# KiCad board fmc_memory_adapter.kicad_pcb (continued)
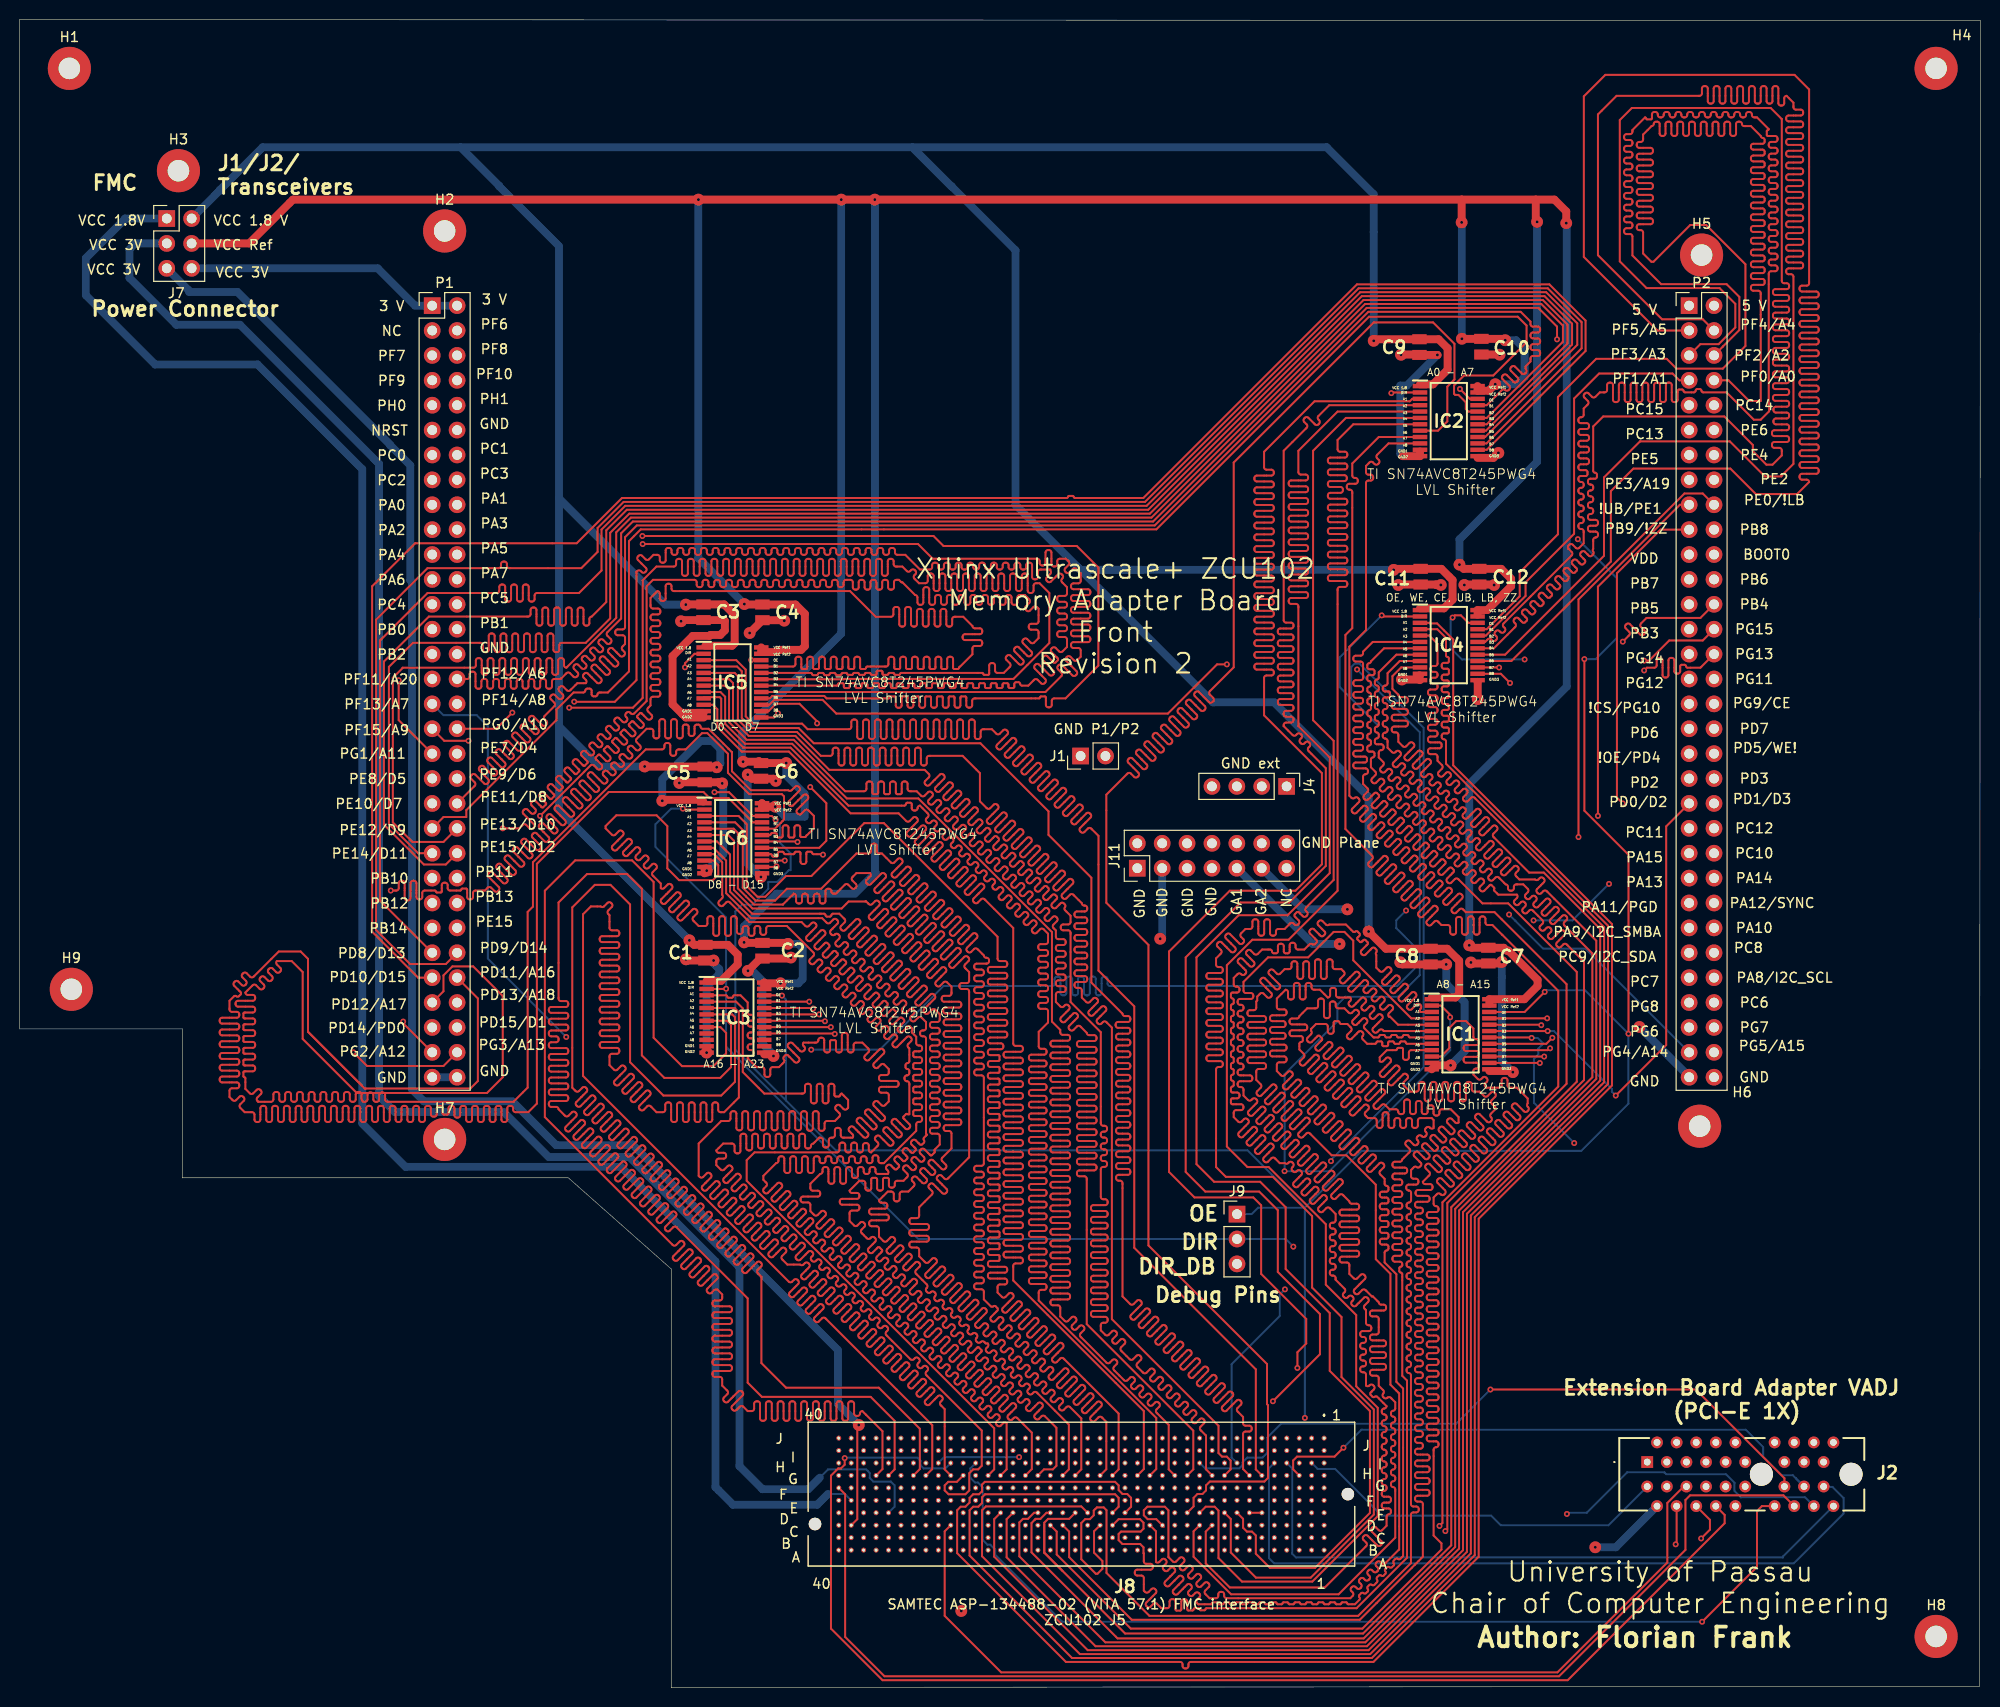
[diagram p0: board, top side]
## Routing (per net, layer and track width the routed paths; a pad name or vN(x,y) marks a point on that pad's centre or on a via; arc(x,y) is an arc through that point) (continued)
Net-(IC6-A3): length 200
  Top w0.2: J8.G21 108.35,22.25 108.35,27.45 107.18,28.62 arc(107.01,28.69) 106.84,28.62 106.55,28.32 arc(106.38,28.25) 106.21,28.32 106.12,28.4 arc(106.05,28.57) 106.12,28.74 106.42,29.04 arc(106.49,29.21) 106.42,29.38 106.33,29.47 arc(106.17,29.54) 106,29.47 105.7,29.17 arc(105.53,29.1) 105.36,29.17 105.27,29.25 arc(105.2,29.42) 105.27,29.59 105.57,29.89 arc(105.64,30.06) 105.57,30.23 105.49,30.31 arc(105.32,30.38) 105.15,30.31 104.85,30.02 arc(104.68,29.95) 104.51,30.02 104.43,30.1 arc(104.36,30.27) 104.43,30.44 104.72,30.74 arc(104.79,30.91) 104.72,31.08 104.64,31.16 arc(104.47,31.23) 104.3,31.16 104,30.87 arc(103.83,30.79) 103.66,30.87 103.58,30.95 arc(103.51,31.12) 103.58,31.29 103.87,31.59 arc(103.94,31.76) 103.87,31.93 103.79,32.01 arc(103.62,32.08) 103.45,32.01 103.15,31.71 arc(102.98,31.64) 102.81,31.71 102.73,31.8 arc(102.66,31.97) 102.73,32.14 103.03,32.43 arc(103.1,32.6) 103.03,32.77 102.94,32.86 arc(102.77,32.93) 102.6,32.86 102.3,32.56 arc(102.13,32.49) 101.96,32.56 101.88,32.65 arc(101.81,32.82) 101.88,32.99 102.18,33.28 arc(102.25,33.45) 102.18,33.62 102.09,33.71 arc(101.92,33.78) 101.75,33.71 101.46,33.41 arc(101.29,33.34) 101.12,33.41 101.03,33.5 arc(100.96,33.67) 101.03,33.84 101.33,34.13 arc(101.4,34.3) 101.33,34.47 101.24,34.56 arc(101.07,34.63) 100.9,34.56 100.61,34.26 arc(100.44,34.19) 100.27,34.26 100.18,34.34 arc(100.11,34.51) 100.18,34.68 100.48,34.98 arc(100.55,35.15) 100.48,35.32 100.4,35.4 arc(100.23,35.48) 100.06,35.4 99.76,35.11 arc(99.59,35.04) 99.42,35.11 99.33,35.19 arc(99.26,35.36) 99.33,35.53 99.63,35.83 arc(99.7,36) 99.63,36.17 99.55,36.25 arc(99.38,36.32) 99.21,36.25 98.84,35.89 arc(98.67,35.82) 98.5,35.89 98.42,35.97 arc(98.34,36.14) 98.42,36.31 98.78,36.68 arc(98.85,36.85) 98.78,37.02 98.7,37.1 arc(98.53,37.17) 98.36,37.1 97.99,36.73 arc(97.82,36.66) 97.65,36.73 97.57,36.82 arc(97.5,36.99) 97.57,37.16 98.64,38.23 arc(98.71,38.4) 98.64,38.57 98.56,38.66 arc(98.39,38.73) 98.22,38.66 97.14,37.58 arc(96.97,37.51) 96.8,37.58 96.72,37.67 arc(96.65,37.84) 96.72,38.01 97.79,39.08 arc(97.86,39.25) 97.79,39.42 97.71,39.51 arc(97.54,39.58) 97.37,39.51 96.29,38.43 arc(96.12,38.36) 95.95,38.43 95.87,38.52 arc(95.8,38.69) 95.87,38.86 96.94,39.93 arc(97.01,40.1) 96.94,40.27 96.86,40.35 arc(96.69,40.42) 96.52,40.35 95.45,39.28 arc(95.28,39.21) 95.11,39.28 95.02,39.36 arc(94.95,39.53) 95.02,39.7 96.1,40.78 arc(96.17,40.95) 96.1,41.12 96.01,41.2 arc(95.84,41.27) 95.67,41.2 94.6,40.13 arc(94.43,40.06) 94.26,40.13 94.17,40.21 arc(94.1,40.38) 94.17,40.55 95.25,41.63 arc(95.32,41.8) 95.25,41.97 95.16,42.05 arc(94.99,42.12) 94.82,42.05 93.75,40.98 arc(93.58,40.91) 93.41,40.98 93.32,41.06 arc(93.25,41.23) 93.32,41.4 94.4,42.48 arc(94.47,42.65) 94.4,42.82 94.31,42.9 arc(94.14,42.97) 93.97,42.9 92.9,41.83 arc(92.73,41.76) 92.56,41.83 92.48,41.91 arc(92.41,42.08) 92.48,42.25 93.55,43.32 arc(93.62,43.49) 93.55,43.66 93.47,43.75 arc(93.3,43.82) 93.13,43.75 92.76,43.38 arc(92.59,43.31) 92.42,43.38 91.8,44 91.8,44.65 arc(91.73,44.82) 91.56,44.89 91.04,44.89 arc(90.87,44.96) 90.8,45.13 90.8,45.25 arc(90.87,45.42) 91.04,45.49 92.56,45.49 arc(92.73,45.56) 92.8,45.73 92.8,45.85 arc(92.73,46.02) 92.56,46.09 91.04,46.09 arc(90.87,46.16) 90.8,46.33 90.8,46.45 arc(90.87,46.62) 91.04,46.69 92.56,46.69 arc(92.73,46.76) 92.8,46.93 92.8,47.05 arc(92.73,47.22) 92.56,47.29 91.04,47.29 arc(90.87,47.36) 90.8,47.53 90.8,47.65 arc(90.87,47.82) 91.04,47.89 91.56,47.89 arc(91.73,47.96) 91.8,48.13 91.8,49 93.11,50.31 arc(93.18,50.48) 93.11,50.65 92.81,50.95 arc(92.74,51.12) 92.81,51.29 92.9,51.38 arc(93.07,51.45) 93.24,51.38 94.18,50.44 arc(94.35,50.37) 94.52,50.44 94.6,50.52 arc(94.67,50.69) 94.6,50.86 93.66,51.8 arc(93.59,51.97) 93.66,52.14 93.74,52.22 arc(93.91,52.29) 94.08,52.22 94.38,51.92 arc(94.55,51.85) 94.72,51.92 96.9,54.1 96.9,71.03 arc(96.83,71.2) 96.66,71.27 96.14,71.27 arc(95.97,71.34) 95.9,71.51 95.9,71.63 arc(95.97,71.8) 96.14,71.87 96.66,71.87 arc(96.83,71.94) 96.9,72.11 96.9,73 96.47,73.43 arc(96.4,73.6) 96.47,73.77 96.84,74.13 arc(96.91,74.3) 96.84,74.47 96.76,74.56 arc(96.59,74.63) 96.42,74.56 95.34,73.48 arc(95.17,73.41) 95,73.48 94.92,73.57 arc(94.85,73.74) 94.92,73.91 95.99,74.98 arc(96.06,75.15) 95.99,75.32 95.91,75.41 arc(95.74,75.48) 95.57,75.41 94.49,74.33 arc(94.32,74.26) 94.15,74.33 94.07,74.42 arc(94,74.59) 94.07,74.76 95.14,75.83 arc(95.21,76) 95.14,76.17 95.06,76.26 arc(94.89,76.33) 94.72,76.26 93.64,75.18 arc(93.48,75.11) 93.31,75.18 93.22,75.27 arc(93.15,75.43) 93.22,75.6 94.3,76.68 arc(94.37,76.85) 94.3,77.02 94.21,77.1 arc(94.04,77.17) 93.87,77.1 92.8,76.03 arc(92.63,75.96) 92.46,76.03 92.37,76.11 arc(92.3,76.28) 92.37,76.45 93.45,77.53 arc(93.52,77.7) 93.45,77.87 93.36,77.95 arc(93.19,78.02) 93.02,77.95 91.95,76.88 arc(91.78,76.81) 91.61,76.88 91.52,76.96 arc(91.45,77.13) 91.52,77.3 92.6,78.38 arc(92.67,78.55) 92.6,78.72 92.51,78.8 arc(92.34,78.87) 92.17,78.8 91.1,77.73 arc(90.93,77.66) 90.76,77.73 90.67,77.81 arc(90.6,77.98) 90.67,78.15 91.75,79.23 arc(91.82,79.39) 91.75,79.56 91.66,79.65 arc(91.5,79.72) 91.33,79.65 90.25,78.57 arc(90.08,78.5) 89.91,78.57 89.83,78.66 arc(89.76,78.83) 89.83,79 90.9,80.07 arc(90.97,80.24) 90.9,80.41 90.82,80.5 arc(90.65,80.57) 90.48,80.5 89.4,79.42 arc(89.23,79.35) 89.06,79.42 88.98,79.51 arc(88.91,79.68) 88.98,79.85 90.05,80.92 arc(90.12,81.09) 90.05,81.26 89.97,81.35 arc(89.8,81.42) 89.63,81.35 88.55,80.27 arc(88.38,80.2) 88.21,80.27 88.13,80.36 arc(88.06,80.53) 88.13,80.7 89.2,81.77 arc(89.27,81.94) 89.2,82.11 89.12,82.19 arc(88.95,82.27) 88.78,82.19 87.71,81.12 arc(87.54,81.05) 87.37,81.12 87.28,81.2 arc(87.21,81.37) 87.28,81.54 88.36,82.62 arc(88.43,82.79) 88.36,82.96 88.27,83.04 arc(88.1,83.11) 87.93,83.04 86.86,81.97 arc(86.69,81.9) 86.52,81.97 86.43,82.05 arc(86.36,82.22) 86.43,82.39 86.8,82.76 arc(86.87,82.93) 86.8,83.1 85.4,83.1 84.98,82.68 arc(84.91,82.51) 84.98,82.34 85.35,81.98 arc(85.42,81.81) 85.35,81.64 85.27,81.55 arc(85.1,81.48) 84.93,81.55 84.56,81.92 arc(84.39,81.99) 84.22,81.92 83.3,81 83.08,81 arc(82.91,81.07) 82.84,81.24 82.84,81.26 arc(82.77,81.43) 82.6,81.5 82.48,81.5 arc(82.31,81.43) 82.24,81.26 82.24,80.24 arc(82.17,80.07) 82,80 81.88,80 arc(81.71,80.07) 81.64,80.24 81.64,80.76 arc(81.57,80.93) 81.4,81 81.28,81 arc(81.11,80.93) 81.04,80.76 81.04,80.24 arc(80.97,80.07) 80.8,80 80.68,80 arc(80.51,80.07) 80.44,80.24 80.44,80.76 arc(80.37,80.93) 80.2,81 80.08,81 arc(79.91,80.93) 79.84,80.76 79.84,80.24 arc(79.77,80.07) 79.6,80 79.48,80 arc(79.31,80.07) 79.24,80.24 79.24,80.76 arc(79.17,80.93) 79,81 77.9,79.9 77.9,79.89 74.96,79.89 73.3,81.55 73.3,87.2 72.87,87.63 IC6.5
Net-(IC6-A4): length 200
  Top w0.2: IC6.6 72.32,86.98 72.9,86.4 72.9,81.38 74.79,79.49 83.89,79.49 84.6,80.2 86.3,80.2 86.35,80.25 86.66,79.94 arc(86.83,79.87) 87,79.94 87.3,80.23 arc(87.47,80.3) 87.64,80.23 87.72,80.15 arc(87.8,79.98) 87.72,79.81 86.72,78.8 arc(86.65,78.63) 86.72,78.47 86.81,78.38 arc(86.98,78.31) 87.15,78.38 88.15,79.38 arc(88.32,79.45) 88.49,79.38 88.57,79.3 arc(88.64,79.13) 88.57,78.96 87.57,77.96 arc(87.5,77.79) 87.57,77.62 87.65,77.53 arc(87.82,77.46) 87.99,77.53 89,78.54 arc(89.17,78.61) 89.34,78.54 89.42,78.45 arc(89.49,78.28) 89.42,78.11 88.42,77.11 arc(88.35,76.94) 88.42,76.77 88.5,76.68 arc(88.67,76.61) 88.84,76.68 89.85,77.69 arc(90.02,77.76) 90.19,77.69 90.27,77.6 arc(90.34,77.43) 90.27,77.26 89.27,76.26 arc(89.2,76.09) 89.27,75.92 89.35,75.83 arc(89.52,75.76) 89.69,75.83 90.69,76.84 arc(90.86,76.91) 91.03,76.84 91.12,76.75 arc(91.19,76.58) 91.12,76.41 90.11,75.41 arc(90.04,75.24) 90.11,75.07 90.2,74.99 arc(90.37,74.92) 90.54,74.99 91.54,75.99 arc(91.71,76.06) 91.88,75.99 91.97,75.91 arc(92.04,75.74) 91.97,75.57 90.96,74.56 arc(90.89,74.39) 90.96,74.22 91.05,74.14 arc(91.22,74.07) 91.39,74.14 92.39,75.14 arc(92.56,75.21) 92.73,75.14 92.82,75.06 arc(92.89,74.89) 92.82,74.72 91.81,73.71 arc(91.74,73.54) 91.81,73.37 91.9,73.29 arc(92.07,73.22) 92.24,73.29 93.24,74.29 arc(93.41,74.36) 93.58,74.29 93.66,74.21 arc(93.73,74.04) 93.66,73.87 92.66,72.86 arc(92.59,72.7) 92.66,72.53 92.75,72.44 arc(92.92,72.37) 93.08,72.44 94.09,73.44 arc(94.26,73.51) 94.43,73.44 94.51,73.36 arc(94.58,73.19) 94.51,73.02 93.51,72.02 arc(93.44,71.85) 93.51,71.68 93.59,71.59 arc(93.76,71.52) 93.93,71.59 94.3,71.96 arc(94.47,72.03) 94.64,71.96 95.1,71.5 95.1,70.82 arc(95.03,70.65) 94.86,70.58 94.34,70.58 arc(94.17,70.51) 94.1,70.34 94.1,70.22 arc(94.17,70.05) 94.34,69.98 95.86,69.98 arc(96.03,69.91) 96.1,69.74 96.1,69.62 arc(96.03,69.45) 95.86,69.38 94.49,69.38 arc(94.32,69.31) 94.25,69.14 94.25,69.02 arc(94.32,68.85) 94.49,68.78 95.86,68.78 arc(96.03,68.71) 96.1,68.54 96.1,68.42 arc(96.03,68.25) 95.86,68.18 94.54,68.18 arc(94.37,68.11) 94.3,67.94 94.3,67.82 arc(94.37,67.65) 94.54,67.58 95.86,67.58 arc(96.03,67.51) 96.1,67.34 96.1,67.22 arc(96.03,67.05) 95.86,66.98 94.54,66.98 arc(94.37,66.91) 94.3,66.74 94.3,66.62 arc(94.37,66.45) 94.54,66.38 95.86,66.38 arc(96.03,66.31) 96.1,66.14 96.1,66.02 arc(96.03,65.85) 95.86,65.78 94.54,65.78 arc(94.37,65.71) 94.3,65.54 94.3,65.42 arc(94.37,65.25) 94.54,65.18 95.86,65.18 arc(96.03,65.11) 96.1,64.94 96.1,64.82 arc(96.03,64.65) 95.86,64.58 94.54,64.58 arc(94.37,64.51) 94.3,64.34 94.3,64.22 arc(94.37,64.05) 94.54,63.98 95.86,63.98 arc(96.03,63.91) 96.1,63.74 96.1,63.62 arc(96.03,63.45) 95.86,63.38 94.54,63.38 arc(94.37,63.31) 94.3,63.14 94.3,63.02 arc(94.37,62.85) 94.54,62.78 95.86,62.78 arc(96.03,62.71) 96.1,62.54 96.1,62.42 arc(96.03,62.25) 95.86,62.18 94.54,62.18 arc(94.37,62.11) 94.3,61.94 94.3,61.82 arc(94.37,61.65) 94.54,61.58 95.86,61.58 arc(96.03,61.51) 96.1,61.34 96.1,61.22 arc(96.03,61.05) 95.86,60.98 94.54,60.98 arc(94.37,60.91) 94.3,60.74 94.3,60.62 arc(94.37,60.45) 94.54,60.38 95.86,60.38 arc(96.03,60.31) 96.1,60.14 96.1,60.02 arc(96.03,59.85) 95.86,59.78 94.54,59.78 arc(94.37,59.71) 94.3,59.54 94.3,59.42 arc(94.37,59.25) 94.54,59.18 95.86,59.18 arc(96.03,59.11) 96.1,58.94 96.1,58.82 arc(96.03,58.65) 95.86,58.58 94.54,58.58 arc(94.37,58.51) 94.3,58.34 94.3,58.22 arc(94.37,58.05) 94.54,57.98 95.86,57.98 arc(96.03,57.91) 96.1,57.74 96.1,57.62 arc(96.03,57.45) 95.86,57.38 94.54,57.38 arc(94.37,57.31) 94.3,57.14 94.3,57.02 arc(94.37,56.85) 94.54,56.78 94.86,56.78 arc(95.03,56.71) 95.1,56.54 95.1,55 94.15,54.05 arc(94.08,53.88) 94.15,53.71 94.52,53.34 arc(94.59,53.17) 94.52,53 94.43,52.92 arc(94.26,52.85) 94.09,52.92 93.23,53.78 arc(93.06,53.85) 92.89,53.78 92.81,53.7 arc(92.74,53.53) 92.81,53.36 93.39,52.78 arc(93.46,52.61) 93.39,52.44 93.3,52.35 arc(93.13,52.28) 92.96,52.35 92.38,52.93 arc(92.21,53) 92.04,52.93 91.96,52.85 arc(91.89,52.68) 91.96,52.51 92.54,51.93 arc(92.61,51.76) 92.54,51.59 92.45,51.5 arc(92.28,51.43) 92.11,51.5 91.53,52.08 arc(91.36,52.15) 91.19,52.08 91.11,52 arc(91.04,51.83) 91.11,51.66 91.27,51.5 arc(91.34,51.33) 91.27,51.17 90.7,50.6 90.05,50.6 arc(89.88,50.53) 89.81,50.36 89.81,49.84 arc(89.74,49.67) 89.57,49.6 89.45,49.6 arc(89.28,49.67) 89.21,49.84 89.21,50.36 arc(89.14,50.53) 88.97,50.6 88.6,50.6 87.7,49.7 arc(87.77,49.53) 87.94,49.46 88.31,49.46 arc(88.48,49.39) 88.55,49.22 88.55,49.1 arc(88.48,48.93) 88.31,48.86 86.94,48.86 arc(86.77,48.79) 86.7,48.62 86.7,48.5 arc(86.77,48.33) 86.94,48.26 88.46,48.26 arc(88.63,48.19) 88.7,48.02 88.7,47.9 arc(88.63,47.73) 88.46,47.66 86.94,47.66 arc(86.77,47.59) 86.7,47.42 86.7,47.3 arc(86.77,47.13) 86.94,47.06 87.46,47.06 arc(87.63,46.99) 87.7,46.82 87.7,46 88.16,45.54 arc(88.33,45.47) 88.5,45.54 88.87,45.91 arc(89.04,45.98) 89.21,45.91 89.29,45.82 arc(89.36,45.65) 89.29,45.48 88.53,44.73 arc(88.46,44.56) 88.53,44.39 88.62,44.3 arc(88.79,44.23) 88.96,44.3 89.72,45.06 arc(89.88,45.13) 90.05,45.06 90.14,44.97 arc(90.21,44.8) 90.14,44.64 89.38,43.88 arc(89.31,43.71) 89.38,43.54 89.47,43.45 arc(89.64,43.38) 89.81,43.45 90.56,44.21 arc(90.73,44.28) 90.9,44.21 90.99,44.13 arc(91.06,43.96) 90.99,43.79 90.23,43.03 arc(90.16,42.86) 90.23,42.69 90.32,42.61 arc(90.49,42.54) 90.66,42.61 91.41,43.36 arc(91.58,43.43) 91.75,43.36 91.84,43.28 arc(91.91,43.11) 91.84,42.94 91.47,42.57 arc(91.4,42.4) 91.47,42.23 92.58,41.12 arc(92.65,40.95) 92.58,40.78 92.55,40.74 arc(92.48,40.57) 92.55,40.4 92.64,40.32 arc(92.81,40.25) 92.98,40.32 93.01,40.35 arc(93.18,40.42) 93.35,40.35 93.43,40.27 arc(93.5,40.1) 93.43,39.93 93.4,39.9 arc(93.33,39.73) 93.4,39.56 93.48,39.47 arc(93.65,39.4) 93.82,39.47 93.86,39.5 arc(94.03,39.57) 94.2,39.5 94.28,39.42 arc(94.35,39.25) 94.28,39.08 94.25,39.05 arc(94.18,38.88) 94.25,38.71 94.33,38.62 arc(94.5,38.55) 94.67,38.62 94.71,38.66 arc(94.87,38.73) 95.04,38.66 95.13,38.57 arc(95.2,38.4) 95.13,38.23 95.1,38.2 arc(95.03,38.03) 95.1,37.86 95.18,37.77 arc(95.35,37.7) 95.52,37.77 95.55,37.81 arc(95.72,37.88) 95.89,37.81 95.98,37.72 arc(96.05,37.55) 95.98,37.38 95.95,37.35 arc(95.88,37.18) 95.95,37.01 96.03,36.93 arc(96.2,36.86) 96.37,36.93 96.4,36.96 arc(96.57,37.03) 96.74,36.96 96.83,36.87 arc(96.9,36.7) 96.83,36.53 96.79,36.5 arc(96.72,36.33) 96.79,36.16 96.88,36.08 arc(97.05,36.01) 97.22,36.08 97.25,36.11 arc(97.42,36.18) 97.59,36.11 97.68,36.02 arc(97.75,35.86) 97.68,35.69 97.64,35.65 arc(97.57,35.48) 97.64,35.31 97.73,35.23 arc(97.9,35.16) 98.07,35.23 98.1,35.26 arc(98.27,35.33) 98.44,35.26 98.6,35.1 98.8,35.1 arc(98.87,34.93) 98.8,34.76 98.66,34.62 arc(98.59,34.45) 98.66,34.28 98.75,34.2 arc(98.92,34.13) 99.09,34.2 99.22,34.34 arc(99.39,34.41) 99.56,34.34 99.65,34.25 arc(99.72,34.08) 99.65,33.91 99.51,33.77 arc(99.44,33.6) 99.51,33.43 99.59,33.35 arc(99.76,33.28) 99.93,33.35 100.07,33.49 arc(100.24,33.56) 100.41,33.49 100.5,33.4 arc(100.57,33.23) 100.5,33.06 100.36,32.92 arc(100.29,32.76) 100.36,32.59 100.44,32.5 arc(100.61,32.43) 100.78,32.5 100.92,32.64 arc(101.09,32.71) 101.26,32.64 101.35,32.55 arc(101.42,32.38) 101.35,32.22 101.21,32.08 arc(101.14,31.91) 101.21,31.74 101.29,31.65 arc(101.46,31.58) 101.63,31.65 101.77,31.79 arc(101.94,31.86) 102.11,31.79 102.19,31.71 arc(102.26,31.54) 102.19,31.37 102.06,31.23 arc(101.98,31.06) 102.06,30.89 102.14,30.8 arc(102.31,30.73) 102.48,30.8 102.62,30.94 arc(102.79,31.01) 102.96,30.94 103.04,30.86 arc(103.11,30.69) 103.04,30.52 102.9,30.38 arc(102.83,30.21) 102.9,30.04 102.99,29.95 arc(103.16,29.88) 103.33,29.95 103.47,30.09 arc(103.64,30.16) 103.81,30.09 107.08,26.82 107.08,22.25 J8.G22
Net-(IC6-A5): length 199.7
  Top w0.2: IC6.7 71.17,86.33 72.5,85 72.5,81.21 74.76,78.96 82.09,78.96 arc(82.2,78.91) 82.24,78.81 arc(82.29,78.7) 82.39,78.66 82.69,78.66 arc(82.8,78.7) 82.84,78.81 arc(82.89,78.91) 82.99,78.96 83.64,78.96 84.19,78.41 arc(84.26,78.24) 84.19,78.07 83.82,77.7 arc(83.75,77.53) 83.82,77.36 83.91,77.28 arc(84.08,77.21) 84.25,77.28 85.32,78.35 arc(85.49,78.42) 85.66,78.35 85.75,78.27 arc(85.82,78.1) 85.75,77.93 84.67,76.85 arc(84.6,76.68) 84.67,76.51 84.76,76.43 arc(84.93,76.36) 85.1,76.43 86.17,77.5 arc(86.34,77.57) 86.51,77.5 86.6,77.42 arc(86.67,77.25) 86.6,77.08 85.52,76 arc(85.45,75.83) 85.52,75.67 85.61,75.58 arc(85.78,75.51) 85.95,75.58 87.02,76.65 arc(87.19,76.73) 87.36,76.65 87.44,76.57 arc(87.51,76.4) 87.44,76.23 86.37,75.16 arc(86.3,74.99) 86.37,74.82 86.45,74.73 arc(86.62,74.66) 86.79,74.73 87.87,75.81 arc(88.04,75.88) 88.21,75.81 88.29,75.72 arc(88.36,75.55) 88.29,75.38 87.22,74.31 arc(87.15,74.14) 87.22,73.97 87.3,73.88 arc(87.47,73.81) 87.64,73.88 88.72,74.96 arc(88.89,75.03) 89.06,74.96 89.14,74.87 arc(89.21,74.7) 89.14,74.53 88.07,73.46 arc(88,73.29) 88.07,73.12 88.15,73.03 arc(88.32,72.96) 88.49,73.03 89.57,74.11 arc(89.74,74.18) 89.9,74.11 89.99,74.02 arc(90.06,73.85) 89.99,73.69 88.91,72.61 arc(88.84,72.44) 88.91,72.27 89,72.19 arc(89.17,72.12) 89.34,72.19 90.41,73.26 arc(90.58,73.33) 90.75,73.26 90.84,73.18 arc(90.91,73.01) 90.84,72.84 89.76,71.76 arc(89.69,71.59) 89.76,71.42 89.85,71.34 arc(90.02,71.27) 90.19,71.34 91.26,72.41 arc(91.43,72.48) 91.6,72.41 91.69,72.33 arc(91.76,72.16) 91.69,71.99 90.61,70.91 arc(90.54,70.74) 90.61,70.57 90.7,70.49 arc(90.87,70.42) 91.04,70.49 92.11,71.56 arc(92.28,71.63) 92.45,71.56 92.54,71.48 arc(92.61,71.31) 92.54,71.14 91.46,70.06 arc(91.39,69.9) 91.46,69.73 91.55,69.64 arc(91.72,69.57) 91.88,69.64 92.96,70.72 arc(93.13,70.79) 93.3,70.72 93.38,70.63 arc(93.45,70.46) 93.38,70.29 92.31,69.22 arc(92.24,69.05) 92.31,68.88 92.39,68.79 arc(92.56,68.72) 92.73,68.79 93.1,69.16 arc(93.27,69.23) 93.44,69.16 93.9,68.7 93.9,68.15 arc(93.83,67.98) 93.66,67.91 93.14,67.91 arc(92.97,67.84) 92.9,67.67 92.9,67.55 arc(92.97,67.38) 93.14,67.31 93.66,67.31 arc(93.83,67.24) 93.9,67.07 93.9,66.95 arc(93.83,66.78) 93.66,66.71 93.14,66.71 arc(92.97,66.64) 92.9,66.47 92.9,66.35 arc(92.97,66.18) 93.14,66.11 93.66,66.11 arc(93.83,66.04) 93.9,65.87 93.9,65.75 arc(93.83,65.58) 93.66,65.51 93.14,65.51 arc(92.97,65.44) 92.9,65.27 92.9,65.15 arc(92.97,64.98) 93.14,64.91 93.66,64.91 arc(93.83,64.84) 93.9,64.67 93.9,64.55 arc(93.83,64.38) 93.66,64.31 93.14,64.31 arc(92.97,64.24) 92.9,64.07 92.9,63.95 arc(92.97,63.78) 93.14,63.71 93.66,63.71 arc(93.83,63.64) 93.9,63.47 93.9,63.35 arc(93.83,63.18) 93.66,63.11 93.14,63.11 arc(92.97,63.04) 92.9,62.87 92.9,62.75 arc(92.97,62.58) 93.14,62.51 93.66,62.51 arc(93.83,62.44) 93.9,62.27 93.9,62.15 arc(93.83,61.98) 93.66,61.91 93.14,61.91 arc(92.97,61.84) 92.9,61.67 92.9,61.55 arc(92.97,61.38) 93.14,61.31 93.66,61.31 arc(93.83,61.24) 93.9,61.07 93.9,60.95 arc(93.83,60.78) 93.66,60.71 93.14,60.71 arc(92.97,60.64) 92.9,60.47 92.9,60.35 arc(92.97,60.18) 93.14,60.11 93.66,60.11 arc(93.83,60.04) 93.9,59.87 93.9,59.75 arc(93.83,59.58) 93.66,59.51 93.14,59.51 arc(92.97,59.44) 92.9,59.27 92.9,59.15 arc(92.97,58.98) 93.14,58.91 93.66,58.91 arc(93.83,58.84) 93.9,58.67 93.9,58.55 arc(93.83,58.38) 93.66,58.31 93.14,58.31 arc(92.97,58.24) 92.9,58.07 92.9,57.95 arc(92.97,57.78) 93.14,57.71 93.66,57.71 arc(93.83,57.64) 93.9,57.47 93.9,57.35 arc(93.83,57.18) 93.66,57.11 93.14,57.11 arc(92.97,57.04) 92.9,56.87 92.9,56.75 arc(92.97,56.58) 93.14,56.51 93.66,56.51 arc(93.83,56.44) 93.9,56.27 93.9,55.4 93.37,54.87 arc(93.34,54.8) 93.37,54.73 arc(93.4,54.66) 93.37,54.59 93.09,54.31 arc(93.02,54.28) 92.95,54.31 92.34,54.91 arc(92.17,54.99) 92,54.91 91.92,54.83 arc(91.85,54.66) 91.92,54.49 92.28,54.12 arc(92.35,53.95) 92.28,53.78 92.2,53.7 arc(92.03,53.63) 91.86,53.7 91.49,54.07 arc(91.32,54.14) 91.15,54.07 91.07,53.98 arc(91,53.81) 91.07,53.64 91.43,53.27 arc(91.51,53.1) 91.43,52.93 91.35,52.85 arc(91.18,52.78) 91.01,52.85 90.64,53.22 arc(90.47,53.29) 90.3,53.22 90.22,53.13 arc(90.15,52.96) 90.22,52.79 90.59,52.43 arc(90.66,52.26) 90.59,52.09 90.2,51.7 89.55,51.7 arc(89.38,51.63) 89.31,51.46 89.31,51.24 arc(89.24,51.07) 89.07,51 88.95,51 arc(88.78,51.07) 88.71,51.24 88.71,51.85 arc(88.67,51.96) 88.56,52 88.26,52 arc(88.15,51.96) 88.11,51.85 88.11,50.94 arc(88.04,50.77) 87.87,50.7 87.75,50.7 arc(87.58,50.77) 87.51,50.94 87.51,51.85 arc(87.47,51.96) 87.36,52 87.06,52 arc(86.95,51.96) 86.91,51.85 86.91,50.94 arc(86.84,50.77) 86.67,50.7 86.55,50.7 arc(86.38,50.77) 86.31,50.94 86.31,51.46 arc(86.24,51.63) 86.07,51.7 85.7,51.7 84.7,50.7 arc(84.77,50.53) 84.94,50.46 85.46,50.46 arc(85.63,50.39) 85.7,50.22 85.7,50.1 arc(85.63,49.93) 85.46,49.86 83.94,49.86 arc(83.77,49.79) 83.7,49.62 83.7,49.5 arc(83.77,49.33) 83.94,49.26 85.46,49.26 arc(85.63,49.19) 85.7,49.02 85.7,48.9 arc(85.63,48.73) 85.46,48.66 84.94,48.66 arc(84.77,48.59) 84.7,48.42 84.7,47.6 85.16,47.14 arc(85.33,47.07) 85.5,47.14 85.8,47.44 arc(85.97,47.51) 86.14,47.44 86.22,47.35 arc(86.29,47.18) 86.22,47.01 85.92,46.72 arc(85.85,46.55) 85.92,46.38 86.47,45.83 arc(86.64,45.76) 86.81,45.83 86.9,45.91 arc(87.07,45.98) 87.23,45.91 87.32,45.83 arc(87.39,45.66) 87.32,45.49 86.63,44.8 arc(86.56,44.63) 86.63,44.46 86.72,44.38 arc(86.89,44.31) 87.06,44.38 87.58,44.9 arc(87.67,44.94) 87.75,44.9 88,44.65 arc(88.04,44.56) 88,44.47 87.48,43.95 arc(87.41,43.79) 87.48,43.62 87.57,43.53 arc(87.74,43.46) 87.91,43.53 88.17,43.79 arc(88.34,43.86) 88.51,43.79 88.59,43.71 arc(88.66,43.54) 88.59,43.37 88.33,43.11 arc(88.26,42.94) 88.33,42.77 88.42,42.68 arc(88.59,42.61) 88.76,42.68 89.02,42.94 arc(89.19,43.01) 89.36,42.94 89.44,42.86 arc(89.51,42.69) 89.44,42.52 89.18,42.26 arc(89.11,42.09) 89.18,41.92 89.26,41.83 arc(89.43,41.76) 89.6,41.83 89.87,42.1 arc(90.04,42.17) 90.2,42.1 90.29,42.01 arc(90.36,41.84) 90.29,41.67 90.03,41.41 arc(89.96,41.24) 90.03,41.07 90.11,40.99 arc(90.28,40.91) 90.45,40.99 91.1,41.64 arc(91.27,41.71) 91.44,41.64 91.53,41.55 arc(91.6,41.38) 91.53,41.21 90.88,40.56 arc(90.81,40.39) 90.88,40.22 90.96,40.14 arc(91.13,40.07) 91.3,40.14 91.56,40.4 arc(91.73,40.47) 91.9,40.4 91.99,40.31 arc(92.06,40.14) 91.99,39.97 91.73,39.71 arc(91.65,39.54) 91.73,39.37 91.81,39.29 arc(91.98,39.22) 92.15,39.29 92.41,39.55 arc(92.58,39.62) 92.75,39.55 92.84,39.46 arc(92.91,39.3) 92.84,39.13 92.57,38.86 arc(92.5,38.69) 92.57,38.52 92.66,38.44 arc(92.83,38.37) 93,38.44 93.26,38.7 arc(93.43,38.77) 93.6,38.7 93.68,38.62 arc(93.75,38.45) 93.68,38.28 93.42,38.02 arc(93.35,37.85) 93.42,37.68 93.51,37.59 arc(93.68,37.52) 93.85,37.59 94.11,37.85 arc(94.28,37.92) 94.45,37.85 94.53,37.77 arc(94.6,37.6) 94.53,37.43 94.27,37.17 arc(94.2,37) 94.27,36.83 94.36,36.74 arc(94.53,36.67) 94.69,36.74 94.96,37 arc(95.13,37.07) 95.3,37 95.38,36.92 arc(95.45,36.75) 95.38,36.58 95.12,36.32 arc(95.05,36.15) 95.12,35.98 95.2,35.89 arc(95.37,35.82) 95.54,35.89 95.81,36.16 arc(95.97,36.23) 96.14,36.16 96.23,36.07 arc(96.3,35.9) 96.23,35.73 95.97,35.47 arc(95.9,35.3) 95.97,35.13 96.05,35.05 arc(96.22,34.98) 96.39,35.05 96.65,35.31 arc(96.82,35.38) 96.99,35.31 97.08,35.22 arc(97.15,35.05) 97.08,34.88 96.82,34.62 arc(96.75,34.45) 96.82,34.28 96.9,34.2 arc(97.07,34.13) 97.24,34.2 97.74,34.7 arc(97.81,34.73) 97.88,34.7 98.17,34.42 arc(98.2,34.35) 98.17,34.27 97.66,33.77 arc(97.59,33.6) 97.66,33.43 97.75,33.35 arc(97.92,33.28) 98.09,33.35 98.35,33.61 arc(98.52,33.68) 98.69,33.61 98.77,33.53 arc(98.85,33.36) 98.77,33.19 98.51,32.92 arc(98.44,32.75) 98.51,32.58 98.6,32.5 arc(98.77,32.43) 98.94,32.5 99.2,32.76 arc(99.37,32.83) 99.54,32.76 99.62,32.68 arc(99.69,32.51) 99.62,32.34 99.36,32.08 arc(99.29,31.91) 99.36,31.74 99.45,31.65 arc(99.62,31.58) 99.79,31.65 100.05,31.91 arc(100.22,31.98) 100.39,31.91 100.47,31.83 arc(100.54,31.66) 100.47,31.49 100.21,31.23 arc(100.14,31.06) 100.21,30.89 100.3,30.8 arc(100.46,30.73) 100.63,30.8 100.9,31.06 arc(101.07,31.13) 101.24,31.06 101.32,30.98 arc(101.39,30.81) 101.32,30.64 101.06,30.38 arc(100.99,30.21) 101.06,30.04 101.14,29.95 arc(101.31,29.88) 101.48,29.95 101.74,30.22 arc(101.91,30.29) 102.08,30.22 102.17,30.13 arc(102.24,29.96) 102.17,29.79 101.91,29.53 arc(101.84,29.36) 101.91,29.19 101.99,29.11 arc(102.16,29.04) 102.33,29.11 102.59,29.37 arc(102.76,29.44) 102.93,29.37 103.02,29.28 arc(103.09,29.11) 103.02,28.94 102.76,28.68 arc(102.69,28.51) 102.76,28.34 102.84,28.26 arc(103.01,28.19) 103.18,28.26 103.94,29.01 arc(104.11,29.08) 104.28,29.01 104.36,28.93 arc(104.43,28.76) 104.36,28.59 103.6,27.83 arc(103.53,27.66) 103.6,27.49 103.69,27.41 arc(103.86,27.34) 104.03,27.41 104.29,27.67 arc(104.46,27.74) 104.63,27.67 105.81,26.49 105.81,22.61 105.44,22.25 104.54,22.25 J8.G24
Net-(IC6-A6): length 200
  Top w0.2: IC6.8 70.8,85.68 72.1,84.38 72.1,81.05 74.65,78.5 81.9,78.5 82.37,78.03 arc(82.54,77.96) 82.71,78.03 83.04,78.37 arc(83.21,78.44) 83.38,78.37 83.47,78.28 arc(83.54,78.11) 83.47,77.94 82.77,77.25 arc(82.7,77.08) 82.77,76.91 82.86,76.83 arc(83.03,76.76) 83.2,76.83 83.22,76.84 arc(83.39,76.92) 83.56,76.84 83.64,76.76 arc(83.71,76.59) 83.64,76.42 83.31,76.09 arc(83.23,75.92) 83.31,75.75 83.39,75.66 arc(83.56,75.59) 83.73,75.66 84.06,76 arc(84.23,76.07) 84.4,76 84.49,75.91 arc(84.56,75.74) 84.49,75.57 84.15,75.24 arc(84.08,75.07) 84.15,74.9 84.24,74.81 arc(84.41,74.74) 84.58,74.81 84.91,75.15 arc(85.08,75.22) 85.25,75.15 85.34,75.06 arc(85.41,74.89) 85.34,74.72 85,74.39 arc(84.93,74.22) 85,74.05 85.09,73.96 arc(85.26,73.89) 85.43,73.96 85.76,74.3 arc(85.93,74.37) 86.1,74.3 86.19,74.21 arc(86.26,74.04) 86.19,73.88 85.85,73.54 arc(85.78,73.37) 85.85,73.2 85.94,73.12 arc(86.11,73.05) 86.28,73.12 86.61,73.45 arc(86.78,73.52) 86.95,73.45 87.03,73.37 arc(87.1,73.2) 87.03,73.03 86.7,72.69 arc(86.63,72.52) 86.7,72.35 86.78,72.27 arc(86.95,72.2) 87.12,72.27 87.46,72.6 arc(87.63,72.67) 87.8,72.6 87.88,72.52 arc(87.95,72.35) 87.88,72.18 87.55,71.84 arc(87.48,71.67) 87.55,71.5 87.63,71.42 arc(87.8,71.35) 87.97,71.42 88.31,71.75 arc(88.48,71.82) 88.65,71.75 88.73,71.67 arc(88.8,71.5) 88.73,71.33 88.4,70.99 arc(88.33,70.83) 88.4,70.66 88.48,70.57 arc(88.65,70.5) 88.82,70.57 89.16,70.91 arc(89.33,70.98) 89.49,70.91 89.58,70.82 arc(89.65,70.65) 89.58,70.48 89.24,70.15 arc(89.17,69.98) 89.24,69.81 89.33,69.72 arc(89.5,69.65) 89.67,69.72 90,70.06 arc(90.17,70.13) 90.34,70.06 90.43,69.97 arc(90.5,69.8) 90.43,69.63 90.09,69.3 arc(90.02,69.13) 90.09,68.96 90.18,68.87 arc(90.35,68.8) 90.52,68.87 90.85,69.21 arc(91.02,69.28) 91.19,69.21 91.28,69.12 arc(91.35,68.95) 91.28,68.78 90.94,68.45 arc(90.87,68.28) 90.94,68.11 91.03,68.02 arc(91.2,67.95) 91.37,68.02 91.7,68.36 arc(91.87,68.43) 92.04,68.36 92.5,67.9 92.5,67.28 arc(92.43,67.11) 92.26,67.04 92.14,67.04 arc(91.97,66.97) 91.9,66.8 91.9,66.68 arc(91.97,66.51) 92.14,66.44 92.26,66.44 arc(92.43,66.37) 92.5,66.2 92.5,56.5 92.6,56.4 92.29,56.09 arc(92.24,55.96) 92.29,55.84 arc(92.34,55.72) 92.29,55.59 92.11,55.42 arc(91.99,55.36) 91.86,55.42 91.45,55.83 arc(91.28,55.9) 91.11,55.83 91.03,55.74 arc(90.96,55.57) 91.03,55.41 91.42,55.01 arc(91.47,54.9) 91.42,54.8 91.21,54.58 arc(91.1,54.54) 91,54.58 90.6,54.98 arc(90.43,55.05) 90.26,54.98 90.18,54.9 arc(90.11,54.73) 90.18,54.56 90.57,54.16 arc(90.62,54.05) 90.57,53.95 90.36,53.74 arc(90.25,53.69) 90.15,53.74 89.75,54.13 arc(89.58,54.2) 89.41,54.13 89.33,54.05 arc(89.26,53.88) 89.33,53.71 89.72,53.31 arc(89.77,53.21) 89.72,53.1 89.51,52.89 arc(89.41,52.84) 89.3,52.89 88.9,53.28 arc(88.73,53.35) 88.56,53.28 88.48,53.2 arc(88.41,53.03) 88.48,52.86 88.6,52.74 arc(88.67,52.57) 88.6,52.4 87.58,52.4 arc(87.41,52.47) 87.34,52.64 87.34,52.86 arc(87.27,53.03) 87.1,53.1 86.98,53.1 arc(86.81,53.03) 86.74,52.86 86.74,52.64 arc(86.67,52.47) 86.5,52.4 86.38,52.4 arc(86.21,52.47) 86.14,52.64 86.14,52.86 arc(86.07,53.03) 85.9,53.1 85.78,53.1 arc(85.61,53.03) 85.54,52.86 85.54,52.2 arc(85.48,52.06) 85.34,52 85.14,52 arc(85,52.06) 84.94,52.2 84.94,52.86 arc(84.87,53.03) 84.7,53.1 84.58,53.1 arc(84.41,53.03) 84.34,52.86 84.34,51.64 arc(84.27,51.47) 84.1,51.4 83.98,51.4 arc(83.81,51.47) 83.74,51.64 83.74,52.86 arc(83.67,53.03) 83.5,53.1 83.38,53.1 arc(83.21,53.03) 83.14,52.86 83.14,51.64 arc(83.07,51.47) 82.9,51.4 82.78,51.4 arc(82.61,51.47) 82.54,51.64 82.54,52.86 arc(82.47,53.03) 82.3,53.1 82.18,53.1 arc(82.01,53.03) 81.94,52.86 81.94,52.64 arc(81.87,52.47) 81.7,52.4 80.7,51.4 80.7,50.93 arc(80.77,50.76) 80.94,50.69 81.46,50.69 arc(81.63,50.62) 81.7,50.45 81.7,50.33 arc(81.63,50.16) 81.46,50.09 79.94,50.09 arc(79.77,50.02) 79.7,49.85 79.7,49.73 arc(79.77,49.56) 79.94,49.49 80.46,49.49 arc(80.63,49.42) 80.7,49.25 80.7,48.6 81.1,48.2 arc(81.27,48.13) 81.44,48.2 81.8,48.57 arc(81.97,48.64) 82.14,48.57 82.23,48.49 arc(82.3,48.32) 82.23,48.15 81.36,47.28 arc(81.29,47.12) 81.36,46.95 81.45,46.86 arc(81.62,46.79) 81.79,46.86 82.65,47.72 arc(82.82,47.79) 82.99,47.72 83.08,47.64 arc(83.15,47.47) 83.08,47.3 82.21,46.44 arc(82.14,46.27) 82.21,46.1 82.3,46.01 arc(82.47,45.94) 82.64,46.01 83.5,46.87 arc(83.67,46.95) 83.84,46.87 83.92,46.79 arc(83.99,46.62) 83.92,46.45 83.06,45.59 arc(82.99,45.42) 83.06,45.25 83.15,45.16 arc(83.32,45.09) 83.49,45.16 84.35,46.03 arc(84.52,46.1) 84.69,46.03 84.77,45.94 arc(84.84,45.77) 84.77,45.6 83.91,44.74 arc(83.84,44.57) 83.91,44.4 83.99,44.32 arc(84.16,44.24) 84.33,44.32 85.2,45.18 arc(85.37,45.25) 85.54,45.18 85.62,45.09 arc(85.69,44.92) 85.62,44.75 84.76,43.89 arc(84.69,43.72) 84.76,43.55 84.84,43.47 arc(85.01,43.4) 85.18,43.47 85.94,44.22 arc(86.11,44.29) 86.28,44.22 86.36,44.14 arc(86.43,43.97) 86.36,43.8 85.61,43.04 arc(85.54,42.87) 85.61,42.7 85.69,42.62 arc(85.86,42.55) 86.03,42.62 86.79,43.37 arc(86.96,43.44) 87.13,43.37 87.21,43.29 arc(87.28,43.12) 87.21,42.95 86.46,42.19 arc(86.39,42.02) 86.46,41.85 86.54,41.77 arc(86.71,41.7) 86.88,41.77 87.64,42.53 arc(87.81,42.6) 87.98,42.53 88.06,42.44 arc(88.13,42.27) 88.06,42.1 87.3,41.35 arc(87.23,41.18) 87.3,41.01 87.39,40.92 arc(87.56,40.85) 87.73,40.92 88.49,41.68 arc(88.65,41.75) 88.82,41.68 88.91,41.59 arc(88.98,41.42) 88.91,41.25 88.15,40.5 arc(88.08,40.33) 88.15,40.16 88.24,40.07 arc(88.41,40) 88.58,40.07 89.33,40.83 arc(89.5,40.9) 89.67,40.83 89.76,40.74 arc(89.83,40.57) 89.76,40.4 89,39.65 arc(88.93,39.48) 89,39.31 89.09,39.22 arc(89.26,39.15) 89.43,39.22 90.18,39.98 arc(90.35,40.05) 90.52,39.98 90.61,39.9 arc(90.68,39.73) 90.61,39.56 89.85,38.8 arc(89.78,38.63) 89.85,38.46 89.93,38.38 arc(90.1,38.31) 90.27,38.38 91.03,39.13 arc(91.2,39.2) 91.37,39.13 91.45,39.05 arc(91.53,38.88) 91.45,38.71 90.7,37.95 arc(90.63,37.78) 90.7,37.61 90.78,37.53 arc(90.95,37.46) 91.12,37.53 91.88,38.28 arc(92.05,38.35) 92.22,38.28 92.3,38.2 arc(92.37,38.03) 92.3,37.86 91.55,37.1 arc(91.48,36.93) 91.55,36.76 91.63,36.68 arc(91.8,36.61) 91.97,36.68 92.73,37.43 arc(92.9,37.51) 93.07,37.43 93.15,37.35 arc(93.22,37.18) 93.15,37.01 92.4,36.25 arc(92.33,36.08) 92.4,35.91 92.48,35.83 arc(92.65,35.76) 92.82,35.83 93.58,36.59 arc(93.75,36.66) 93.92,36.59 94,36.5 arc(94.07,36.33) 94,36.16 93.24,35.41 arc(93.17,35.24) 93.24,35.07 93.33,34.98 arc(93.5,34.91) 93.67,34.98 94.42,35.74 arc(94.59,35.81) 94.76,35.74 94.85,35.65 arc(94.92,35.48) 94.85,35.31 94.09,34.56 arc(94.02,34.39) 94.09,34.22 94.18,34.13 arc(94.35,34.06) 94.52,34.13 95.27,34.89 arc(95.44,34.96) 95.61,34.89 95.7,34.8 arc(95.77,34.63) 95.7,34.47 94.94,33.71 arc(94.87,33.54) 94.94,33.37 95.03,33.28 arc(95.2,33.21) 95.37,33.28 96.12,34.04 arc(96.29,34.11) 96.46,34.04 96.55,33.96 arc(96.62,33.79) 96.55,33.62 95.79,32.86 arc(95.72,32.69) 95.79,32.52 95.87,32.44 arc(96.04,32.37) 96.21,32.44 96.97,33.19 arc(97.14,33.26) 97.31,33.19 97.39,33.11 arc(97.46,32.94) 97.39,32.77 96.64,32.01 arc(96.57,31.84) 96.64,31.67 96.72,31.59 arc(96.89,31.52) 97.06,31.59 97.82,32.34 arc(97.99,32.41) 98.16,32.34 98.24,32.26 arc(98.31,32.09) 98.24,31.92 97.49,31.16 arc(97.42,30.99) 97.49,30.82 97.57,30.74 arc(97.74,30.67) 97.91,30.74 98.67,31.5 arc(98.84,31.57) 99.01,31.5 99.09,31.41 arc(99.16,31.24) 99.09,31.07 98.34,30.31 arc(98.26,30.14) 98.34,29.97 98.42,29.89 arc(98.59,29.82) 98.76,29.89 99.52,30.65 arc(99.69,30.72) 99.86,30.65 99.94,30.56 arc(100.01,30.39) 99.94,30.22 99.18,29.47 arc(99.11,29.3) 99.18,29.13 99.27,29.04 arc(99.44,28.97) 99.61,29.04 100.36,29.8 arc(100.53,29.87) 100.7,29.8 100.79,29.71 arc(100.86,29.54) 100.79,29.37 100.03,28.62 arc(99.96,28.45) 100.03,28.28 100.12,28.19 arc(100.29,28.12) 100.46,28.19 101.21,28.95 arc(101.38,29.02) 101.55,28.95 101.64,28.86 arc(101.71,28.7) 101.64,28.53 100.88,27.77 arc(100.81,27.6) 100.88,27.43 100.97,27.34 arc(101.14,27.27) 101.31,27.34 101.46,27.5 arc(101.63,27.57) 101.8,27.5 101.8,27.5 103.3,26 103.3,22.28 J8.G25